# KiCad board n64adv2.kicad_pcb (continued)
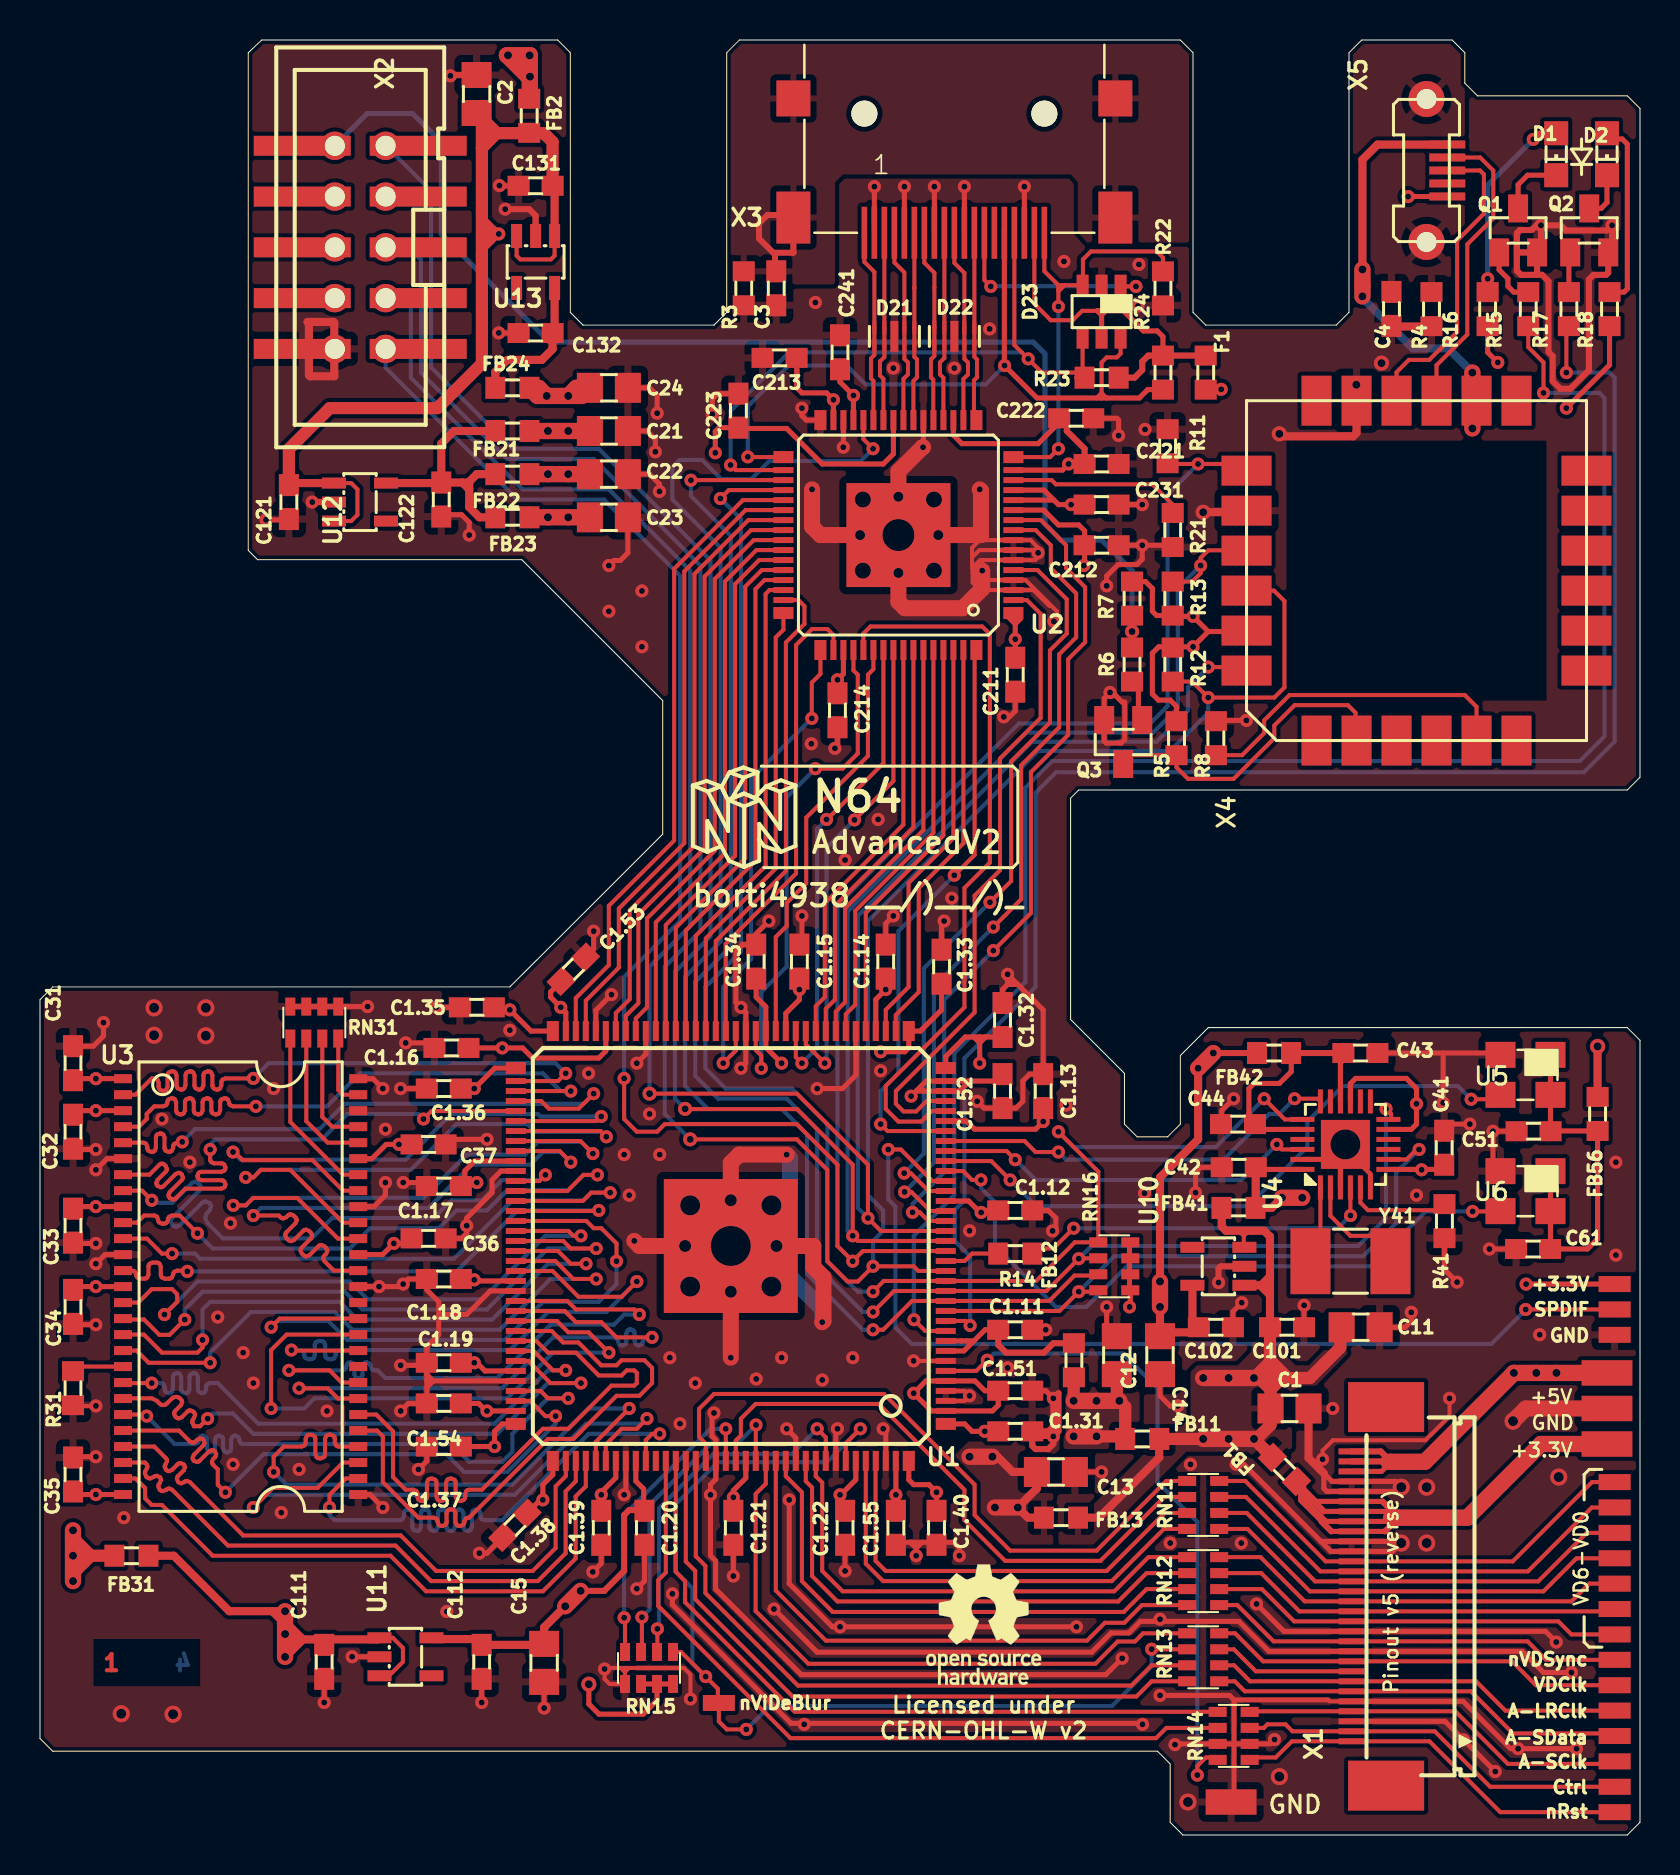
[diagram p0: board, top side]
## Nets (continued)
Net-(RN12-Pad1): RN12.1 U1.135
Net-(RN12-Pad2): RN12.2 U1.134
Net-(RN12-Pad3): RN12.3 U1.132
Net-(RN12-Pad4): RN12.4 U1.131
Net-(RN12-Pad5): nVDS1.P$1 RN12.5 X1.11
Net-(RN12-Pad6): RN12.6 VD6.P$1 X1.13
Net-(RN12-Pad7): RN12.7 VD5.P$1 X1.14
Net-(RN12-Pad8): RN12.8 VD4.P$1 X1.15
Net-(RN13-Pad1): RN13.1 U1.130
Net-(RN13-Pad2): nViDeBlur1.P$1 RN13.2 RN15.1 U1.138
Net-(RN13-Pad3): RN13.3 U1.123
Net-(RN13-Pad4): RN13.4 U1.122
Net-(RN13-Pad7): RN13.7 X1.8
Net-(RN13-Pad8): RN13.8 VDCLK1.P$1 X1.9
Net-(RN14-Pad1): RN14.1 U1.121
Net-(RN14-Pad2): RN14.2 U1.120
Net-(RN14-Pad4): RN14.4 U1.6
Net-(RN14-Pad5): nRST1.P$1 RN14.5 X1.1
Net-(RN15-Pad2): RN15.2 U1.136
Net-(RN15-Pad3): RN15.3 U1.129
Net-(RN15-Pad4): RN15.4 U1.126
Net-(RN16-Pad1): RN16.1 U1.15 U2.36 U4.P19
Net-(RN16-Pad2): RN16.2 U1.14 U2.35 U4.P12
Net-(RN16-Pad3): RN16.3 U1.13 U2.28
Net-(RN16-Pad4): RN16.4 U1.12 U4.P8
Net-(RN31-Pad1): RN31.1 U3.48
Net-(RN31-Pad2): RN31.2 U3.50
Net-(RN31-Pad3): RN31.3 U3.51
Net-(RN31-Pad4): RN31.4 U3.53
Net-(SPDIF1-PadP$1): SPDIF1.P$1 U1.25
Net-(U1-Pad21): U1.21 U2.10
Net-(U1-Pad22): U1.22 U2.9
Net-(U1-Pad24): U1.24 U2.5
Net-(U1-Pad26): U1.26 U6.3
Net-(U1-Pad27): U1.27 U5.3
Net-(U1-Pad28): U1.28 U4.P22
Net-(U1-Pad29): U1.29 U4.P18
Net-(U1-Pad30): U1.30 U2.64
Net-(U1-Pad32): U1.32 U2.53
Net-(U1-Pad33): U1.33 U2.2
Net-(U1-Pad38): U1.38 U2.63
Net-(U1-Pad39): U1.39 U2.62
Net-(U1-Pad41): U1.41 U2.61
Net-(U1-Pad43): U1.43 U2.60
Net-(U1-Pad44): U1.44 U2.59
Net-(U1-Pad45): U1.45 U2.58
Net-(U1-Pad46): U1.46 U2.57
Net-(U1-Pad47): U1.47 U2.56
Net-(U1-Pad48): U1.48 U2.55
Net-(U1-Pad50): U1.50 U2.54
Net-(U1-Pad52): U1.52 U2.52
Net-(U1-Pad54): U1.54 U2.49
Net-(U1-Pad55): U1.55 U2.50
Net-(U1-Pad56): U1.56 U2.47
Net-(U1-Pad57): U1.57 U2.48
Net-(U1-Pad58): U1.58 U2.46
Net-(U1-Pad59): U1.59 U2.45
Net-(U1-Pad60): U1.60 U2.44
Net-(U1-Pad61): U1.61 U2.43
Net-(U1-Pad62): U1.62 U2.42
Net-(U1-Pad64): U1.64 U2.41
Net-(U1-Pad65): U1.65 U2.40
Net-(U1-Pad66): U1.66 U2.39
Net-(U1-Pad69): U1.69 U2.38
Net-(U1-Pad70): U1.70 U2.37
Net-(U1-Pad74): U1.74 U3.2
Net-(U1-Pad75): U1.75 U3.4
Net-(U1-Pad76): U1.76 U3.5
Net-(U1-Pad77): U1.77 U3.7
Net-(U1-Pad78): U1.78 U3.47
Net-(U1-Pad79): U1.79 U3.45
Net-(U1-Pad80): U1.80 U3.44
Net-(U1-Pad81): U1.81 U3.42
Net-(U1-Pad84): U1.84 U3.8
Net-(U1-Pad85): U1.85 U3.10
Net-(U1-Pad86): U1.86 U3.11
Net-(U1-Pad87): U1.87 U3.13
Net-(U1-Pad88): U1.88 U3.39
Net-(U1-Pad89): U1.89 U3.15
Net-(U1-Pad90): U1.90 U3.16
Net-(U1-Pad91): U1.91 U3.17
Net-(U1-Pad92): U1.92 U3.18
Net-(U1-Pad93): U1.93 U3.37
Net-(U1-Pad96): U1.96 U3.35
Net-(U1-Pad97): U1.97 U3.34
Net-(U1-Pad98): U1.98 U3.38
Net-(U1-Pad99): U1.99 U3.32
Net-(U1-Pad100): U1.100 U3.33
Net-(U1-Pad101): U1.101 U3.20
Net-(U1-Pad102): U1.102 U3.21
Net-(U1-Pad105): U1.105 U3.22
Net-(U1-Pad106): U1.106 U3.23
Net-(U1-Pad110): U1.110 U3.24
Net-(U1-Pad111): U1.111 U3.25
Net-(U1-Pad112): U1.112 U3.26
Net-(U1-Pad113): U1.113 U3.31
Net-(U1-Pad114): U1.114 U3.30
Net-(U1-Pad118): U1.118 U3.29
Net-(U4-PadP1): U4.P1 Y41.2
Net-(U4-PadP2): U4.P2 Y41.1
Net-(X4-Pad14): X4.14 X5.1
Net-(X4-Pad15): X4.15 X5.2
Net-(X4-Pad16): X4.16 X5.3

Pads without a net: U1 119; U3 36 40; U4 P9 P10 P13 P14 P17 P21; U10 4; U11 4; U12 4; U13 4; X2 6 7 8; X3 14; X4 1 3 4 6 7 8 9 10 11 12 13 18; X5 4

## Via types
v1: diameter 0.756, hole 0.4, Top to Bottom, 51 vias
v2: diameter 0.656, hole 0.3, Top to Bottom, 372 vias
v3: diameter 2.356, hole 2, Top to Bottom, 1 via
v4: diameter 0.956, hole 0.6, Top to Bottom, 4 vias
v5: diameter 0.856, hole 0.5, Top to Bottom, 18 vias
v6: diameter 1.956, hole 1.6, Top to Bottom, 1 via
v7: diameter 1.156, hole 0.8, Top to Bottom, 4 vias
v8: diameter 1.356, hole 1, Top to Bottom, 4 vias
v9: diameter 1.856, hole 1.5, Top to Bottom, 1 via
v10: diameter 0.706, hole 0.35, Top to Bottom, 6 vias

## Routing (per net, layer and track width the routed paths; a pad name or vN(x,y) marks a point on that pad's centre or on a via; arc(x,y) is an arc through that point)
3V3_IN: length 32.4
  Top w0.254: 64.2,16.19 X1.24 67.25,16.19 67.5,15.94 67.25,15.69 X1.23 64.08,15.69 ; 67.13,16.69 X1.25 63.7,16.69 ; 64.58,15.19 X1.22 67.26,15.19 ; 63.12,17.4 FB1.1
  Top w0.305: 67.26,15.19 67.95,15.88 67.13,16.69 ; 67.5,15.94 67.56,15.88 ; 64.2,16.19 63.7,16.69 ; 64.58,15.19 64.08,15.69
  Top w0.406: 64.2,15.69 63.12,16.77 63.12,17.27 ; 63.7,16.69 63.12,17.27 ; 63.12,17.27 63.12,17.4
  Top w0.813: 67.56,15.88 71.37,15.88 75.06,19.56 UNK3V_IN0.1
5V_IN: length 209.1
  Top w0.254: X1.28 67.08,18.19 67.56,18.67
  Top w0.305: X1.30 67.05,19.19 67.55,18.69 67.42,18.69 ; 67.42,18.69 67.44,18.67 ; 67.42,18.69 X1.29
  Top w0.813: 67.44,18.67 69.26,18.67 73.7,23.11 v1(73.7,23.11) v1(74.82,23.11) v1(75.83,23.11) P_5V_IN0.1 ; 24.49,87.88 24.49,87.88 23.35,89.02 24.49,89.02 24.49,89.03 24.49,87.88 ; 24.49,87.88 24.49,86.83
  In2.Cu w0.813: v1(24.5,87.96) 24.5,76.69 26.59,74.6 35.12,74.6 35.83,75.31 40.77,75.31 41.86,76.4 48.65,76.4 50.38,74.68 65.11,74.68 66.32,75.89 76.77,75.89 78.81,73.84 78.81,54.68 77.72,53.59 51.68,53.59 50.66,52.58 50.66,40.01 53.21,37.47 53.21,34.67 54.1,33.78 57.28,33.78 58.29,34.8 58.29,36.96 59.44,38.1 76.58,38.1 77.22,37.47 77.22,24.5 v1(75.83,23.11) v1(74.82,23.11) v1(73.7,23.11) ; 24.5,87.88 23.36,89.02 23.36,89.02 24.5,89.03 24.5,87.88
  vias: v1(23.4,89.02) v1(24.48,89.02)
+3V3: length 292.2
  Top w0.203: 60.2,29.97 60.45,30.23 60.58,30.23 ; 60.2,29.97 60.2,29.43 U10.3 ; 60.2,29.97 59.94,30.23 ; 60.2,29.97 60.2,30.23 ; U11.1 17.64,9.87 18.15,9.36 18.15,8.66 17.45,7.97 U11.3
  Top w0.254: U1.144 43.44,17.77 43.69,17.53 44.45,17.53 v2(44.83,17.15) C1.40.1 ; 47.28,39.92 C1.32.1 ; 47.28,39.92 46.99,39.62 ; 47.28,39.92 46.99,39.92 ; C1.33.1 45.08,41.28 44.02,40.21 U1.37 43.44,39.38 43.24,39.18 v2(42.04,39.18) ; C1.36.1 v2(21.72,37.34) 22.74,38.36 U1.73 ; v1(60.71,19.81) 61.21,19.3 ; U1.109 25.64,18.02 25.15,17.53 v2(25.15,16.76) 25.02,16.76 C1.38.1 ; C1.34.1 35.81,41.91 36.29,41.43 U1.51 36.29,39.4 v2(37.08,38.61) ; 46.99,39.62 46.74,39.88 46.74,39.92 ; 46.99,39.62 v2(46.99,38.61) ; 46.99,39.62 46.99,39.92 ; C1.37.1 v2(22.73,19.43) 22.73,20.19 23.1,20.56 U1.108 ; C1.35.1 22.82,41.28 v2(23.49,41.28) 24.56,40.21 U1.72 ; 46.99,39.92 46.74,39.92 ; U1.115 28.79,17.87 28.07,17.15 v2(28.07,17.02) C1.39.1 ; U1.1 46.24,20.56 46.61,20.19 v2(47.24,20.19) C1.31.1 ; 46.74,39.92 46.27,39.92 45.29,38.94 U1.36
  Top w0.406: 14.48,9.78 13.2,9.78 ; 14.48,9.78 16.89,9.78 U11.1 ; 14.48,9.78 C111.1 ; v1(12.26,10.05) 12.49,10.29 ; 12.26,10.43 12.26,10.56 11.62,11.2 ; 13.14,9.78 12.26,10.67 v1(12.26,11.2) 11.62,11.2 ; 13.14,9.78 12.38,9.78 12.28,9.67 12.26,9.67 ; 13.14,9.78 12.28,8.91 v1(12.26,8.91) ; 61.51,27.94 61.07,27.5 61.02,27.5 ; 61.51,27.94 61.51,27.01 ; 61.51,27.94 61.51,29.93 61.21,30.23 59.31,30.23 59.09,30.44 59.09,31.37 ; 11.62,11.2 9.46,11.2 6.69,13.97 FB31.1 ; 61.02,27.5 U10.1 ; 61.02,27.5 61.51,27.01 ; 61.51,27.01 C101.1 ; FB13.1 52.96,15.88 55.97,18.88 FB11.1
  Top w0.61: 61.53,22.29 62.11,22.86 62.4,22.86 ; 61.53,22.29 61.51,22.31 61.51,23.66 ; 61.53,22.29 60.96,22.86 v1(60.71,22.86) ; 61.53,22.29 C1.1 61.53,20.51 60.77,19.75 FB1.2 ; C101.1 61.51,23.66 ; 61.51,23.66 61.59,23.66 62.4,22.86 ; 61.51,23.66 v1(60.71,22.86) ; FB11.1 v1(58.17,19.81) ; C11.1 65.02,25.33 65.02,24.38 63.5,22.86 62.4,22.86 ; v1(60.71,22.86) 62.4,22.86
  Top w0.813: v1(60.71,19.81) v1(59.44,19.81) v1(58.17,19.81) ; v1(12.26,11.2) v1(12.26,10.05) v1(12.26,8.91) ; v1(58.17,22.86) v1(59.44,22.86) v1(60.71,22.86)
  In2.Cu w0.305: 42.42,40.64 42.04,40.26 ; 42.04,40.26 v2(42.04,39.18) ; 42.04,40.26 42.04,40.64 ; 42.04,40.26 41.66,40.64 37.59,40.64 37.08,40.13 v2(37.08,38.61) ; 47.24,20.45 46.86,20.83 ; 47.24,20.45 v2(47.24,20.19) 47.24,20.83 ; 47.24,20.45 47.63,20.83 ; 25.15,17.4 24.96,17.59 24.96,17.97 ; 25.15,17.4 25.15,17.78 ; 25.15,17.4 25.53,17.78 ; 25.15,17.4 v2(25.15,16.76) ; 23.24,19.43 23.49,19.18 23.75,19.18 ; 23.24,19.43 23.49,19.43 23.62,19.3 ; 23.24,19.43 23.11,19.43 ; 45.97,38.61 45.59,38.61 ; 45.97,38.61 45.59,38.99 ; 45.97,38.61 45.59,38.23 ; 45.97,38.61 v2(46.99,38.61) ; 28.07,17.4 27.69,17.78 ; 28.07,17.4 28.07,17.78 ; 28.07,17.4 28.45,17.78 ; 28.07,17.4 v2(28.07,17.02) ; 44.83,17.27 45.34,17.78 ; 44.83,17.27 v2(44.83,17.15) 44.83,17.78 ; 44.83,17.27 44.32,17.78 ; 23.11,19.43 23.62,19.94 ; 23.11,19.43 v2(22.73,19.43) ; v2(23.49,41.28) 22.48,41.28 21.72,40.51 21.72,38.23
  In2.Cu w0.406: 48.77,20.83 49.4,20.83 ; 48.77,20.83 48.13,20.83 ; 48.77,20.83 48.77,20.57 ; 49.4,20.83 49.15,20.57 ; 49.4,20.83 54.86,20.83 56.9,22.86 v1(58.17,22.86) ; 48.77,20.57 49.15,20.57 ; 48.77,20.57 48.77,20.19 ; 49.15,20.57 48.77,20.19 ; 48.77,20.19 48.13,20.83 ; 48.77,20.19 48.77,18.67 47.88,17.78 41.91,17.78 40.56,19.13 32.33,19.13 30.98,17.78 25.15,17.78 23.62,19.3 23.62,36.32 22.61,37.34 ; 48.13,20.83 46.23,20.83 45.59,21.46 45.59,39.5 44.45,40.64 41.66,40.64 ; v2(21.72,37.34) 22.61,37.34 ; v2(21.72,37.34) 22.16,37.78 ; v2(21.72,37.34) 21.72,38.23 22.16,37.78 ; 22.61,37.34 22.16,37.78
  In2.Cu w0.61: 58.67,19.3 59.18,19.81 v1(59.44,19.81) ; 58.67,19.3 58.67,9.65 57.1,8.08 55.33,8.08 53.86,6.6 33.95,6.6 32.68,5.33 13.18,5.33 ; 58.67,19.3 v1(58.17,19.81) ; 12.25,8.92 12.25,6.27 13.18,5.34
  In2.Cu w0.813: v1(58.17,19.81) v1(59.44,19.81) v1(60.71,19.81) ; v1(58.17,22.86) v1(59.44,22.86) v1(60.71,22.86) ; 12.25,8.92 12.26,8.92 v1(12.26,11.2)
+5V: length 94
  Top w0.203: U12.1 15.56,67.62 15.88,67.31 15.88,66.04 15.56,65.73 U12.3 ; U13.1 25.73,79 25.54,78.81 24.02,78.81 23.83,79 U13.3
  Top w0.305: v2(22.94,80.09) 22.1,80.93 22.1,81.25 ; v2(22.94,80.09) 22.92,80.06 22.1,80.06 ; v2(22.94,80.09) 22.7,80.33 22.4,80.33 22.4,79.9 22.58,79.72 ; v2(22.94,80.09) 22.58,79.72 ; 22.58,79.72 22.1,79.24 22.1,79 ; v2(59.07,72.31) 59.06,72.3 F1.1
  Top w0.406: C131.1 25.73,82.4 U13.1 ; U12.1 12.64,67.62 12.45,67.82
  Top w0.61: 22.1,84.39 22.1,85.87 C2.1 22.84,85.13 ; 22.1,84.39 22.1,73.6 19.87,71.37 14.49,71.37 12.45,69.33 C121.1 ; 22.1,84.39 22.84,85.13 22.84,85.13 ; 22.84,85.13 25.19,85.13 25.63,84.69 C131.1
  In2.Cu w0.305: v2(59.07,72.31) 45.3,72.31 43.22,74.4 36.23,74.4 35.57,73.74 26.1,73.74 22.94,76.9 v2(22.94,80.09)
/n64adv2_logic/5V_HDMI: length 18.9
  Top w0.203: 52.87,76.24 52.11,76.24 51.64,75.77 50.54,75.77 49.72,76.59 49.72,80.27
  Top w0.254: 53.09,76.03 D23.5 ; 53.09,76.03 53.3,76.25 ; 53.09,76.03 53.08,76.03 52.87,76.24 52.88,76.25 53.3,76.25 ; 53.3,76.25 54.16,76.25 55.18,75.23 55.87,75.23 56.15,74.95 R24.1
  Top w0.305: R23.1 54.74,72.9 55.12,73.28 55.12,73.7 55.42,74 R24.1 F1.2
/n64adv2_logic/GND_HDMI_SHIELD: length 7.3
  Top w0.3: 36.75,78.46 36.75,79.06 35.95,79.86 35.95,80.61 36.38,81.03 37.67,81.03 37.67,79.17 37.68,79.17 37.66,79.15 36.66,79.15
AVDD: length 57.7
  Top w0.254: v2(33.77,69.14) 33.77,70.21 33.96,70.4 C223.1 34.96,70.36 37.34,70.36 39.12,68.58 42.17,68.58 42.68,69.09 U2.25 ; U2.19 45.68,70.02 46.1,69.6 49.91,69.6 50.97,70.65 C222.1 ; U2.15 51.13,68.27 v2(51.43,68.58) C221.1
  Top w0.305: C221.1 52.24,69.34 51.35,70.23 51.35,70.48 C222.1
  Top w0.813: C22.1 v1(26.42,68.07) v1(25.4,68.07) FB22.2
  In2.Cu w0.406: v1(26.42,68.07) 30.86,68.07 31.43,68.64 32.9,68.64 ; 33.39,68.15 33.27,68.27 33.27,68.64 ; 33.39,68.15 33.82,67.72 35.9,67.72 36.77,68.58 v2(51.43,68.58) ; 33.39,68.15 32.9,68.64 ; 32.9,68.64 33.27,68.64 ; 33.27,68.64 v2(33.77,69.14)
  In2.Cu w0.813: v1(25.4,68.07) v1(26.42,68.07)
DVDD: length 94.1
  Top w0.203: 48.77,61.03 U2.1
  Top w0.254: U2.51 40.18,58.08 v2(39.88,57.79) C214.1 ; U2.11 50.18,66.27 50.93,65.53 51.94,65.53 52.24,65.24 C212.1 52.24,63.5 v2(52.2,63.5) ; C211.1 v2(48.77,59.82) 48.77,60.58 ; U2.31 v2(39.68,71.79) 39.33,72.14 38.1,72.14 37.85,72.39 37.85,73.32 37.85,72.43 ; 49.02,61.09 49.02,60.83 48.77,60.58 ; 48.77,60.58 48.39,60.96 ; 48.77,60.58 48.77,61.03
  Top w0.813: FB21.2 v1(25.4,70.23) v1(26.42,70.23) C21.1
  In2.Cu w0.305: 39.88,59.82 39.88,60.33 ; 39.88,59.82 40.39,60.33 ; 39.88,59.82 39.37,60.33 ; 39.88,59.82 v2(39.88,57.79)
  In2.Cu w0.406: v1(26.42,70.23) 26.44,70.26 39.26,70.26 ; 40.22,70.26 52.11,70.26 52.83,69.53 52.83,64.14 v2(52.2,63.5) ; 40.22,70.26 39.26,70.26 ; 40.22,70.26 40.07,70.26 39.66,70.66 ; 39.66,70.66 39.26,70.26 ; 39.66,70.66 39.66,71.76 39.69,71.78 ; v2(48.77,59.82) 48.26,60.33 38.61,60.33 37.59,61.34 37.59,63.75 36.96,64.39 25.02,64.39 24,65.41 24,69.34 24.89,70.23 v1(25.4,70.23)
  In2.Cu w0.813: v1(25.4,70.23) v1(26.42,70.23)
DVDD_3V3: length 24.3
  Top w0.254: C241.1 40.01,72.68 v2(40.68,72.01) 40.68,72.01 U2.29
  Top w0.813: v1(25.34,71.98) 24.88,71.98 FB24.2 24.93,72.39 v1(25.34,71.98) ; v1(25.34,71.98) v1(26.42,71.98) ; v1(26.42,71.98) 26.82,72.39 C24.1 27.09,71.98 v1(26.42,71.98)
  In2.Cu w0.406: v2(40.68,72.01) 40.14,72.54 37.25,72.54 36.69,71.98 v1(26.42,71.98)
  In2.Cu w0.813: v1(25.34,71.98) v1(26.42,71.98)
GND: length 616
  Top w0.2: X1.5 64.48,6.69 64.4,6.76 64.4,6.76
  Top w0.203: U1.4 46.24,22.21 v2(46.48,21.97) 46.23,21.71 U1.3 ; 50.47,61.48 49.68,62.27 U2.3 47.01,62.27 46.64,62.65 46.64,63.15 ; 29.04,8.36 29.24,8.16 29.25,8.16 ; 29.04,8.36 28.44,8.36 28.23,8.15 28.23,7.8 28.48,7.56 RN15.5 29.25,8.16 ; 29.04,8.36 29.3,8.36 ; 46.61,63.91 46.61,64.39 46.99,64.77 U2.8 49.53,64.77 49.91,64.39 v2(49.91,64.14) ; 46.61,63.91 46.61,63.37 47.01,63.77 ; 46.61,63.91 46.98,64.27 U2.7 49.77,64.27 v2(49.91,64.14) ; U1.7 43.69,23.71 v2(43.68,23.72) ; v2(49.91,64.14) 49.91,63.92 49.76,63.77 U2.6 47.12,63.77 v2(47.12,63.25) 46.64,63.25 46.64,63.15 ; v2(70.48,21.84) 70.48,20.96 69.27,19.75 64.65,19.75 64.14,19.23 v2(64.14,18.8) ; 64.53,33.79 65.16,34.43 ; v2(32.52,6.81) 32.52,8.03 32.19,8.36 29.4,8.36 ; C37.2 20.54,34.54 20.79,34.8 ; 29.3,8.36 29.25,8.31 29.25,8.16 ; 29.3,8.36 29.4,8.36 ; 46.64,63.15 47.01,62.77 U2.4 49.29,62.77 50.85,61.21 50.85,60.86 v2(50.7,60.71) ; 29.25,8.16 29.4,8.31 29.4,8.36 ; 65.21,34.48 v9(65.28,34.54) ; 1.69,21.46 v2(2.79,21.46) ; 75.06,79.36 Q1.2 ; 78.61,79.36 Q2.2
  Top w0.229: U4.P6 66.53,33.07 65.16,34.43
  Top w0.25: 59.71,6.76 64.4,6.76 ; v2(68.41,81.96) 68.42,81.96 X5.5
  Top w0.254: C1.12.2 50.42,31.24 50.8,30.86 50.8,30.38 v2(50.63,30.22) ; 46.22,80.27 v2(46.22,82.45) ; U2.30 40.18,69.42 v2(40.17,69.42) ; U1.83 23.05,33.21 22.61,32.77 22.61,32.13 21.34,30.86 v2(21.34,30.48) 21.34,30.1 21.08,29.84 C36.2 ; v2(33.7,21.11) 33.6,21.01 33.6,19.96 33.79,19.77 U1.125 33.79,17.79 33.53,17.53 v2(33.53,17.02) 33.53,13.97 33.78,13.72 33.78,12.31 38.07,8.02 53.3,8.02 v2(54.11,8.84) ; v2(17.27,32.64) 17.27,32 16.7,31.43 U3.46 ; v2(72.77,3.18) 70.26,5.69 X1.3 ; v2(42.16,20.32) 42.29,20.19 U1.142 ; C212.2 v2(55.12,64.52) ; v2(55.12,64.52) 56.55,64.52 R21.1 ; v2(55.12,64.52) 55.12,63.82 54.85,63.55 53.91,63.55 53.34,62.98 v2(53.34,62.48) ; 64.05,14.69 X1.21 67.99,14.69 v5(68.07,14.61) 67.66,14.19 X1.20 64.55,14.19 64.05,14.69 ; 64.05,14.69 60.2,18.54 v2(59.82,18.54) ; v2(60.83,11.56) 62.2,10.19 X1.12 75.28,10.19 v2(75.82,9.65) ; v2(29.85,12.32) 30.23,12.7 C1.20.2 ; C61.2 v2(72.48,29.31) ; v2(18.03,23.5) 19.22,23.5 C1.19.2 ; C21.2 30.35,70.23 30.77,69.81 v2(30.77,69.19) ; v2(38.1,45.97) 38.1,44.7 37.97,44.58 C1.15.2 ; 43.82,14.35 44.11,14.64 ; 43.82,14.35 43.56,14.61 ; 43.82,14.35 v2(43.82,13.97) ; 44.11,14.64 44.7,14.64 C1.40.2 44.96,14.64 45.68,14.64 45.97,14.35 v2(45.97,13.97) ; 44.11,14.64 43.6,14.64 ; C1.37.2 19.34,18.71 v2(18.92,18.29) ; v2(11.3,65.79) 12.41,65.79 C121.2 ; C101.2 63.21,26.49 v2(63.21,26.5) ; C1.53.2 27.69,44.32 v2(27.69,45.21) ; U3.41 18.03,27.43 v2(18.16,27.56) 18.42,27.81 C1.18.2 19.34,27.27 19.94,26.67 19.94,26.04 ; v2(68.57,26.15) 68.57,25.71 68.26,25.4 66.99,25.4 C11.2 ; C14.2 56.01,21.97 56.52,21.46 v2(56.9,21.46) ; v2(56.01,6.99) 59.48,6.99 59.71,6.76 59.71,4.56 ; 19.34,22.73 19.36,22.71 19.67,22.71 ; 19.34,22.73 19.34,23.04 ; 19.34,22.73 19.34,22.39 ; v2(22.97,82.51) 22.98,82.5 C131.2 ; 19.34,32.64 v2(18.16,32.64) ; U1.63 30.29,39.06 v2(29.85,38.61) ; 43.6,14.64 43.56,14.61 ; 43.6,14.64 43.52,14.64 ; 43.56,14.61 43.52,14.64 ; v2(55.13,5.54) 55.08,5.59 37.55,5.59 31.62,11.52 v2(31.62,12.06) ; v2(30.86,71.12) 30.86,72.01 30.48,72.39 C24.2 ; C1.51.2 50.29,22.23 v2(50.67,21.84) ; U1.42 40.79,38 40.13,37.34 v2(38.86,37.34) ; v2(2.79,25.53) 1.69,25.53 C34.2 ; v2(37.34,20.32) 37.79,19.86 U1.133 ; X1.5 71.16,6.69 73.53,4.32 v2(76.83,4.32) ; U5.2 72.94,39.12 70.17,39.12 ; 19.67,22.71 19.34,22.39 ; 19.67,22.71 U1.104 ; 19.67,22.71 19.34,23.04 ; 19.34,22.39 C1.54.2 18.42,21.59 v2(18.03,21.21) ; v2(21.97,14.1) 22.35,14.1 C1.38.2 ; U1.116 29.29,17.1 v2(29.21,17.02) ; U4.P3 65.03,34.29 v9(65.28,34.54) ; v2(45.21,45.72) 45.08,45.59 C1.33.2 ; v2(22.94,75.14) 23,75.14 23,75.13 C132.2 ; 59.09,35.56 59.09,36.23 v2(59.69,36.83) ; 59.71,4.56 61.52,4.56 v2(61.73,4.78) ; 59.71,4.56 59.71,1.79 P_GND_2.1 ; 59.71,4.56 56.79,4.56 v2(56.76,4.52) ; v2(27.64,13.16) 28.07,13.58 C1.39.2 ; v2(50.67,19.94) 49.87,19.94 C1.31.2 ; v2(28.58,42.04) 27.79,41.26 U1.68 ; v2(16.38,41.44) RN31.5 RN31.6 RN31.7 RN31.8 ; v2(18.29,39.62) 19.47,39.62 C1.16.2 ; v2(70.86,27.66) 70.23,28.29 70.23,29.55 ; 48.39,42.55 48.13,42.29 C1.32.2 ; 48.39,42.55 48.51,42.55 ; 48.39,42.55 v2(48.39,43.05) 48.51,42.93 ; 19.94,26.04 19.94,25.02 19.34,24.42 C1.19.2 ; 19.94,26.04 21.34,26.04 22.52,27.21 U1.95 ; 43.52,14.64 42.93,14.64 C1.55.2 ; v2(28.45,63.5) 28.7,63.75 29.02,63.75 29.4,64.14 C23.2 ; v2(17.14,37.34) 16.65,37.83 U3.54 ; C222.2 53.85,70.87 53.94,70.78 v2(53.94,70) ; 48.89,42.55 50.17,41.28 C1.13.2 49.49,38.06 49.15,37.72 49.15,36.7 48.81,36.36 C1.52.2 47.2,36.36 v2(46.86,36.7) ; 48.89,42.55 48.51,42.55 ; 48.89,42.55 48.51,42.93 ; 44.72,80.27 v2(44.72,82.45) ; C223.2 33.88,72.1 33.62,71.83 v2(33.62,71.07) ; 19.34,23.04 C1.19.2 ; 66.89,39.12 70.17,39.12 ; 70.17,39.12 v2(70.17,36.63) ; C111.2 v2(14.21,6.63) ; v2(60.09,26.63) 59.65,26.18 C102.2 ; v2(76.58,8.13) 75.18,8.13 74.12,9.19 X1.10 61.45,9.19 59.95,10.69 55.02,10.69 54.45,10.11 53.56,10.11 52.59,9.14 38.86,9.14 v2(36.7,11.3) ; v2(43.22,82.45) 43.22,80.27 ; v2(53.34,26.42) 53.34,25.46 C12.2 ; C31.2 2.67,39.46 3.17,39.97 v2(3.17,40.64) ; v2(37.46,16.76) 37.46,12.57 39.62,10.41 v2(40.01,10.41) v2(51.83,10.41) ; C1.35.2 v2(19.81,41.4) ; v2(44.16,69.42) 44.18,69.44 U2.22 ; C1.36.2 v2(18.03,37.34) ; R8.1 58.84,55.75 v2(60.33,55.75) ; v2(30.98,67.21) 30.98,67.58 30.48,68.07 C22.2 ; U2.32 38.32,70.77 38.1,70.99 v2(38.1,71.37) ; v2(39.75,54.36) 39.88,54.48 C214.2 ; 48.51,42.55 48.51,42.93 ; v2(41.72,82.45) 41.72,80.27 ; v2(71.5,35.56) 70.4,35.56 70.23,35.39 ; v2(2.79,34.29) 1.69,34.29 C32.2 ; v2(2.79,33.27) 3.35,33.83 U3.6 ; C51.2 v2(72.66,35.2) 72.66,33.58 U6.2 ; 56.4,70.33 R11.2 ; U11.2 v2(15.61,8.92) ; C1.21.2 v2(34.67,12.95) ; C112.2 v2(22.09,6.63) ; v2(2.79,28.58) 3.25,29.03 U3.12 ; v2(42.67,45.97) 42.29,45.59 C1.14.2 ; v2(2.79,18.92) 1.69,18.92 C35.2 ; U4.P23 64.53,33.79 ; C1.11.2 v2(50.29,25.27) ; v2(17.14,16.38) 16.5,17.03 U3.28 ; 59.09,33.4 58.04,33.4 57.79,33.15 v2(57.79,32.13) ; v2(22.35,34.8) 20.79,34.8 ; v2(40.26,13.21) C1.22.2 ; C122.2 20.15,66.04 21.08,66.04 21.46,65.66 v2(21.46,65.02) ; C33.2 1.69,29.59 v2(2.79,29.59) ; R31.2 1.69,21.46 ; U1.137 39.79,20.24 v2(39.88,20.32) ; v2(25.21,6.35) C15.2 ; C211.2 48.77,56.22 48.48,55.93 v2(48.2,55.93) ; 49.22,80.27 v2(49.22,82.45) ; C231.2 v2(55.12,66.55) ; C13.2 v2(53.09,18.16) ; v2(35.05,38.35) 35.29,38.6 U1.53 35.29,41.16 34.8,41.66 34.8,44.2 35.14,44.54 C1.34.2 35.81,45.09 v2(36.45,45.72) ; 53.22,56.86 Q3.2 53.22,54.73 53.32,54.62 54.06,54.62 54.24,54.8 54.24,56.67 54.11,56.67 53.76,57.02 53.63,57.02 v2(53.51,57.15) 53.22,56.86 ; 67.78,17.69 v5(68.07,17.4) 67.86,17.19 X1.26 64.35,17.19 64.2,17.34 64.2,18.1 64.61,17.69 X1.27 67.78,17.69
  Top w0.3: 20.49,88.01 20.52,88.04 C2.2
  Top w0.305: 74.86,78.04 75.11,78.04 75.43,77.72 75.43,74.18 75.64,73.97 75.64,72.72 76.02,72.34 76.52,72.34 77.45,73.27 77.45,77.81 77.68,78.04 78.31,78.04 78.42,78.15 Q2.2 ; 74.86,78.04 74.05,78.04 73.85,78.24 73.85,79.27 ; 74.86,78.04 Q1.2 73.96,79.16 73.85,79.27 ; 50.42,20.19 49.66,20.19 ; 50.42,20.19 50.67,20.45 ; 50.42,20.19 v2(50.67,19.94) ; 73.85,79.27 73.85,80.13 74,80.28 74.59,80.28 74.83,80.52 v2(75.06,80.52) ; v2(50.67,19.94) 50.93,20.19 50.93,22.1 v2(50.67,21.84) 50.67,20.45 ; v2(50.67,19.94) 50.67,19.56 50.42,19.3 49.78,19.3 49.62,19.47 C1.31.2 ; v2(50.67,19.94) 50.67,20.45 ; v2(75.06,80.52) 75.06,79.36 ; v2(75.06,80.52) 76.05,80.52 76.3,80.26 78.36,80.26 v2(78.61,80.52) 78.61,79.36 ; U10.2 59.05,28.45 58.93,28.33 v2(58.93,27.64) ; v2(23.26,81.33) 24.46,81.33 24.78,81 U13.2 ; U12.2 v2(13.61,66.67)
  Top w0.406: 69.58,75.46 67.55,75.46 ; v1(61.97,70.09) 62.09,69.97 65.66,69.97 65.83,70.14 X4.17 65.83,72.53 v1(65.82,72.54) ; C1.2 63.43,18.86 64.2,18.1 ; X4.20 60.26,66.17 v1(58.17,66.17) ; 14.72,72.98 14.7,72.97 13.51,72.97 13.45,73.03 13.45,75.62 13.38,75.68 14.68,75.68 14.72,75.65 14.72,72.98
  Top w0.8: v2(37.34,34.04) 34.96,34.04 34.54,33.62 v4(34.54,31.75) ; v4(34.54,27.18) v2(34.54,23.88) ; v4(36.83,29.46) 38.67,29.46 38.67,28.41 39.18,27.9 39.18,25.72 v2(39.12,25.65) ; v6(42.93,65.02) v5(42.93,63.13) 42.93,61.68 43.24,61.37 46.14,61.37 47.12,62.34 v2(47.12,63.25) ; v6(42.93,65.02) 47.05,65.02 47.05,67.25 v2(46.99,67.31) ; v6(42.93,65.02) v5(42.93,66.94) 42.93,68.21 44.13,69.42 v2(44.16,69.42) ; v6(42.93,65.02) v5(41.01,65.02) 39.03,65.02 38.61,65.44 v2(38.61,67.31) ; v4(32.26,29.46) 29.97,29.46 v2(29.72,29.72) ; v5(73.66,20.7) 74.3,21.34 P_GND_3.1
  In1.Cu w0.25: v2(75.06,80.52) 73.62,81.96 71.12,81.96 ; 71.12,81.96 71.31,81.96 ; 71.12,81.96 v2(68.41,81.96) ; 71.31,81.96 71.68,82.33 ; 71.31,81.96 71.66,81.61 71.67,81.61
  In2.Cu w0.2: v2(27.69,45.21) 26.91,45.21 24.22,42.52 24.22,40.98 v2(23.49,40.26)
  In2.Cu w0.254: v2(30.1,62.23) 26.29,62.23 23.49,65.02 v2(21.46,65.02) ; v2(28.58,42.04) 27.24,42.04 26.96,42.32 25.84,42.32 25.34,41.81 25.34,40.64 27.43,38.54 v2(27.43,38.1)
  Bottom w0.8: v4(36.83,29.46) 36.83,28.6 39.12,26.31 v2(39.12,25.65) ; v2(37.34,34.04) 37.5,33.87 37.5,32.11 36.89,31.5 v8(36.58,31.5)
  vias: v1(67.08,73.63) v2(4.19,15.88) v2(6.1,35.81) v2(7.49,33.66) v2(8.89,25.91) v2(9.53,30.61) v2(9.65,18.54) v2(10.16,24.13) v2(10.67,22.61) v2(11.68,37.34) v2(12.06,16.13) v2(12.95,18.29) v2(14.35,21.21) v2(16.95,27.43) v2(17.27,35.31) v2(20.34,11.18) v2(20.52,88) v2(28.23,8.31) v2(28.45,61.21) v2(29.21,34.04) v2(29.46,32) v2(30.1,59.44) v2(30.48,36.07) v2(30.99,34.04) v2(31.5,23.88) v2(32,20.57) v2(32.77,22.61) v2(35.05,41.4) v2(35.81,22.81) v2(37.08,23.88) v2(38.21,5.54) v2(38.57,54.58) v2(38.77,76.66) v2(39.12,22.76) v2(40.26,48.77) v2(40.64,23.88) v2(41.91,50.8) v2(42.04,38.23) v2(42.67,73.37) v2(45.59,46.86) v2(45.72,73.37) v2(46.48,30.23) v2(47.49,75.34) v2(48.39,23.37) v2(51.2,78.71) v2(51.31,36.51) v2(54.95,78.56) v2(54.9,76.48) v2(55.23,32.11) v2(55.26,70.31) v2(56.01,10.8) v2(56.52,14.61) v2(57.53,18.54) v2(60.07,14.61) v2(64.64,21.34) v2(68.83,32) v2(71.18,4.76) v2(73.91,4.32) v2(74.99,25.03) v2(78.8,33.66) v2(78.8,29.01) v3(34.54,29.46) v5(4.06,6.07) v5(5.7,41.38) v5(5.7,40.01) v5(6.65,6.04) v5(8.29,41.38) v5(8.29,39.98) v5(44.92,65.02) v5(57.4,1.65) v5(61.98,2.92) v5(69.34,17.4) v5(69.34,14.61) v5(75.95,17.91) v7(41.15,66.8) v7(41.15,63.25) v7(44.7,66.8) v7(44.7,63.25) v8(32.51,31.5) v8(32.51,27.43) v8(36.58,27.43)
PVDD: length 42.1
  Top w0.203: 50.7,66.77 50.74,66.74
  Top w0.254: 50.74,66.74 50.93,66.55 v2(51.56,66.55) C231.1 ; U2.13 50.2,67.27 50.7,66.77 U2.12
  Top w0.813: FB23.2 v1(25.4,65.91) v1(26.42,65.91) C23.1
  In2.Cu w0.406: v1(26.42,65.91) 26.44,65.89 28.38,65.89 28.74,65.53 37.59,65.53 38.73,64.39 38.73,62.23 39.37,61.59 49.91,61.59 50.8,62.48 50.8,65.79 v2(51.56,66.55)
  In2.Cu w0.813: v1(25.4,65.91) v1(26.42,65.91)
VCC_U56: length 18.1
  Top w0.254: U6.1 U6.4 75.53,29.33 C61.1 77.38,29.31 77.89,29.82 FB56.2 75.55,35.22 C51.1 75.53,35.21 U5.4 U5.1
VCCA: length 115.7
  Top w0.254: 46.48,37.71 47.79,37.71 C1.52.1 ; 46.48,37.71 45.98,37.21 U1.34 44.2,37.21 ; 46.48,37.71 U1.35 44.32,37.71 44.07,37.47 ; U1.143 42.8,18.71 v2(42.8,17.02) C1.55.1 ; 44.07,37.47 43.82,37.21 ; 44.07,37.47 44.07,37.34 44.2,37.21 ; 43.82,37.21 v2(43.56,36.96) ; 43.82,37.21 44.2,37.21 ; C1.51.1 47.92,21.5 47.63,21.21 U1.2 44.57,21.21 v2(43.69,22.1) 44.3,22.71 U1.5 46.76,22.71 47.24,22.23 C1.51.1 ; C1.51.1 47.37,22.23 ; C1.53.1 25.53,42.17 25.53,41.91 v2(26.04,41.4) 26.29,41.15 U1.71 ; U1.107 22.36,21.21 v2(22.35,21.21) 22.31,21.21 21.93,21.59 C1.54.1
  Top w0.406: FB13.2 49.4,15.88 v1(48.89,16.38) 49.85,17.34 C13.1 48.64,18.16 47.88,18.92 v1(47.63,18.92)
  Top w0.813: v1(47.63,18.92) v1(46.48,18.92) ; v1(47.75,16.38) v1(48.89,16.38)
  In2.Cu w0.305: 43.5,36.32 43.5,36.89 v2(43.56,36.96) 43.05,36.45 ; 43.5,36.32 43.5,36.13 ; 43.5,36.32 43.24,36.58 43.24,36.64 43.18,36.58 43.18,36.45 43.05,36.45 ; 44.83,22.61 44.32,22.1 ; 43.05,36.45 34.3,36.45 29.72,41.02 26.42,41.02 v2(26.04,41.4) ; 43.18,15.75 42.8,16.13 ; 42.8,16.13 42.8,15.75 ; 42.8,16.13 v2(42.8,17.02) ; 42.8,16.13 42.42,15.75 ; 44.32,22.1 44.83,22.1 ; 44.32,22.1 v2(43.69,22.1) ; 44.32,22.1 44.83,21.59
  In2.Cu w0.406: v1(47.75,16.38) 46.99,16.38 46.36,15.75 42.42,15.75 39.8,18.36 33.09,18.36 30.48,15.75 24.89,15.75 21.84,18.8 21.84,20.7 v2(22.35,21.21) ; 44.58,22.35 44.58,35.05 43.18,36.45 ; v1(46.48,18.92) 44.83,20.57 44.83,22.61
  In2.Cu w0.813: v1(47.63,18.92) v1(46.48,18.92) ; v1(48.89,16.38) v1(47.75,16.38)
VCCIO_2V5: length 116.3
  Top w0.254: C1.13.1 v2(50.17,35.69) 49.78,35.31 46.74,35.31 46.33,35.71 U1.31 ; U1.67 28.29,39.22 27.94,38.86 24.64,38.86 24.13,39.37 v2(23.11,39.37) C1.16.1 ; C1.15.1 v2(37.97,42.29) 37.97,41.78 37.29,41.1 U1.49 ; U1.40 41.79,41.79 v2(42.29,42.29) C1.14.1
  Top w0.305: v10(58.67,39.12) 60.87,39.12
  Top w0.406: v1(56.01,27.69) 56.01,32.89 57.91,34.8 v10(57.91,38.35) ; v1(56.01,26.42) C14.1 56.2,25.15 57.7,25.15 C102.1 57.63,25.72 U10.5 ; v1(77.89,39.45) FB56.1
  Top w0.813: v10(57.91,38.35) v10(58.67,39.12) ; v1(56.01,26.42) v1(56.01,27.69)
  In2.Cu w0.305: v2(23.11,39.37) 24.38,39.37 24.77,39.75 24.77,42.16 25.91,43.31 29.59,43.31 30.1,42.8 37.46,42.8 v2(37.97,42.29) ; 49.78,35.69 49.4,35.31 ; 49.78,35.69 49.4,36.07 ; 49.78,35.69 49.53,35.69 49.4,35.81 ; 49.78,35.69 v2(50.17,35.69) ; v2(42.29,42.29) 41.78,42.8 ; v2(42.29,42.29) 42.29,42.67 42.42,42.8 ; v2(42.29,42.29) 42.8,42.8 ; 38.48,42.8 v2(37.97,42.29) ; v2(37.97,42.29) 37.97,42.67 38.1,42.8
  In2.Cu w0.406: v1(77.89,39.45) 77.88,39.45 59.01,39.45 v10(58.67,39.12) ; v1(56.01,27.69) 49.4,34.29 49.4,37.03 47.9,38.53 47.9,39.47 44.58,42.8 37.46,42.8
  In2.Cu w0.813: v1(56.01,26.42) v1(56.01,27.69) ; v10(57.91,38.35) v10(58.67,39.12)
VCCIO_3V3: length 334.8
  Top w0.254: R18.2 78.49,73.53 v2(76.33,71.37) ; C1.21.1 v2(34.67,16.89) 34.67,17.23 35.29,17.86 U1.128 ; 40.01,16.98 40.79,17.77 U1.139 ; 40.01,16.98 40.01,16.47 C1.22.1 ; 40.01,16.98 v2(40.01,17.02) ; U1.23 46.44,31.71 47.01,31.14 v2(47.06,31.14) 47.16,31.24 C1.12.1 ; v2(54.48,26.42) 54.52,26.45 RN16.5 54.52,27.22 54.48,27.18 54.48,27.94 ; v1(27.44,7.54) 27.44,6.55 27.95,6.05 30.16,6.05 30.85,6.74 RN15.7 ; U1.82 21.74,33.71 21.25,33.22 21.25,32.64 v2(21.84,32.64) ; X4.23 60.29,60.2 58.42,60.2 ; 54.48,28.7 54.52,28.74 RN16.7 ; 54.48,28.7 54.48,29.61 RN16.8 ; 54.48,28.7 54.48,27.94 ; RN16.6 54.52,27.98 54.48,27.94 ; R16.2 72.39,74.17 v2(72.9,73.66) ; SPDIF_VCCIO1.P$1 74.32,27.56 v2(74.31,27.56) ; RN15.7 RN15.8 ; RN15.7 RN15.6 ; R5.2 56.83,56.45 56.52,56.77 55.93,56.77 55.63,57.07 55.63,59.12 55.94,59.44 v2(57.66,59.44) 58.42,60.2 ; 58.42,60.2 v2(57.66,60.96) 56.68,60.96 R13.2 55.84,61 55.63,61.21 55.63,62.36 55.28,62.7 R7.2
  Top w0.305: FB11.2 54.06,19.94
  Top w0.508: R12.2 56.68,59.44
  Top w0.61: FB11.2 54.27,21.42 v1(53.98,21.72) 53.85,21.84 C12.1 ; v1(51.69,21.72) 51.69,22.9 ; 54.06,19.94 v1(51.69,19.94)
  Top w0.813: v1(53.98,21.72) v1(52.83,21.72) v1(51.69,21.72) ; v1(52.83,19.94) v1(51.69,19.94)
  In2.Cu w0.254: 57.53,27.98 57.99,28.45 58.2,28.45 ; 57.66,54.61 v2(57.66,60.96) ; 77.13,71.37 77.52,70.98 ; 77.13,71.37 v2(76.33,71.37) ; 77.13,71.37 77.47,71.72 77.52,71.72 ; 77.13,71.37 77.52,71.37 ; 58.2,28.45 57.53,28.45 ; 58.2,28.45 71.25,28.45 72.14,27.56 v2(74.31,27.56) ; 58.2,28.45 57.83,28.45 57.53,28.15 ; 54.48,25.02 v2(54.48,26.42) 54.48,25.4 ; 54.48,25.4 54.86,25.02 ; 54.48,25.4 54.1,25.02
  In2.Cu w0.305: v2(40.01,17.02) 40.01,15.49 ; 40.01,15.49 40.01,14.99 ; 40.01,15.49 39.5,14.99 ; 40.01,15.49 40.51,14.99 ; 34.67,14.99 34.67,15.49 ; 34.67,15.49 35.18,14.99 ; 34.67,15.49 34.16,14.99 34.04,14.99 ; 34.67,15.49 v2(34.67,16.89) ; 51.69,25.02 47.45,29.26 47.45,30.76 v2(47.06,31.14) ; 57.15,54.61 57.66,55.12 58.17,54.61
  In2.Cu w0.406: 72.56,74.59 73.23,74.59 ; 72.56,74.59 66.6,74.59 65.42,73.41 62.37,73.41 60.11,71.15 43.52,71.15 41.28,73.38 36.69,73.38 36.33,73.03 24.65,73.03 23.5,71.88 17.06,71.88 15.97,72.97 15.97,75.65 X2.4 ; 72.56,74.59 72.9,74.25 ; 52.01,24.7 51.69,25.02 ; 52.01,24.7 51.69,24.38 ; 52.01,24.7 52.32,25.02 ; 28.7,14.48 29.21,14.99 ; 28.7,14.48 28.19,14.99 ; 28.7,14.48 28.7,11.94 27.43,10.67 27.43,7.56 v1(27.44,7.54) ; 28.7,14.48 28.7,14.99 ; 29.21,14.99 28.7,14.99 ; 29.21,14.99 49.28,14.99 51.69,17.4 51.69,18.8 ; 52.07,19.18 51.69,18.8 ; 52.07,19.18 52.32,19.43 ; 52.07,19.18 51.69,19.18 ; 51.69,18.8 51.69,19.18 ; 51.69,19.56 51.82,19.43 52.32,19.43 ; 51.69,19.56 51.69,19.18 ; 51.69,19.56 v1(51.69,19.94) ; 52.32,19.43 v1(52.83,19.94) ; 28.19,14.99 24.13,14.99 20.95,18.16 20.95,21.46 22.61,23.11 22.61,31.88 v2(21.84,32.64) ; 28.19,14.99 28.7,14.99
  In2.Cu w0.508: v2(72.9,73.66) 72.9,74.25 73.23,74.59 76.29,74.59 77.61,73.26 77.61,55.39 76.83,54.61 50.8,54.61 49.4,53.21 49.4,39.62 52.26,36.77 52.26,33.72 57.53,28.45 57.53,25.78 56.77,25.02 51.69,25.02 v1(51.69,21.72)
  In2.Cu w0.813: v1(52.83,19.94) v1(51.69,19.94) ; v1(51.69,21.72) v1(52.83,21.72) v1(53.98,21.72)
VCCIO_B1A: length 9.4
  Top w0.254: 46.7,24.71 47.26,25.27 C1.11.1 ; 46.7,24.71 U1.9 ; 46.7,24.71 46.2,24.21 U1.8
  Top w0.305: C1.11.1 47.92,24.52 48.31,24.13 50.2,24.13 50.67,24.6 51.69,24.6
VCCIO_BANK67: length 50.1
  Top w0.254: U1.117 29.79,17.7 30.19,17.31 30.19,16.26 ; C1.19.1 21.84,23.62 22.25,23.21 U1.103 ; v2(21.72,27.77) 21.77,27.71 U1.94
  Top w0.305: v1(27.03,12.21) 28.21,12.21 29.21,13.21 29.21,16 29.46,16.26 30.19,16.26 C1.20.1 ; v2(21.72,23.62) C1.19.1 ; v2(21.72,27.77) 21.09,27.77 C1.18.1
  Top w0.406: U11.5 19.64,9.8 21.79,9.8 C112.1 25.16,9.51 C15.1 25.21,10.39 v1(27.03,12.21)
  Top w0.813: v1(26.26,11.44) v1(27.03,12.21)
  In2.Cu w0.305: 21.72,24.13 v2(21.72,23.62) ; 21.72,24.13 21.21,23.62 ; 21.72,24.13 v2(21.72,27.77)
  In2.Cu w0.406: 25.63,12.21 25.99,11.86 26.68,11.86 ; 25.63,12.21 20.07,17.78 20.07,22.48 21.21,23.62 v2(21.72,23.62) ; 25.63,12.21 v1(27.03,12.21) ; 25.63,12.21 26.26,11.58 v1(26.26,11.44)
  In2.Cu w0.813: v1(26.26,11.44) v1(27.03,12.21)
